# KiCad board jetson-nano-baseboard.kicad_pcb (continued)
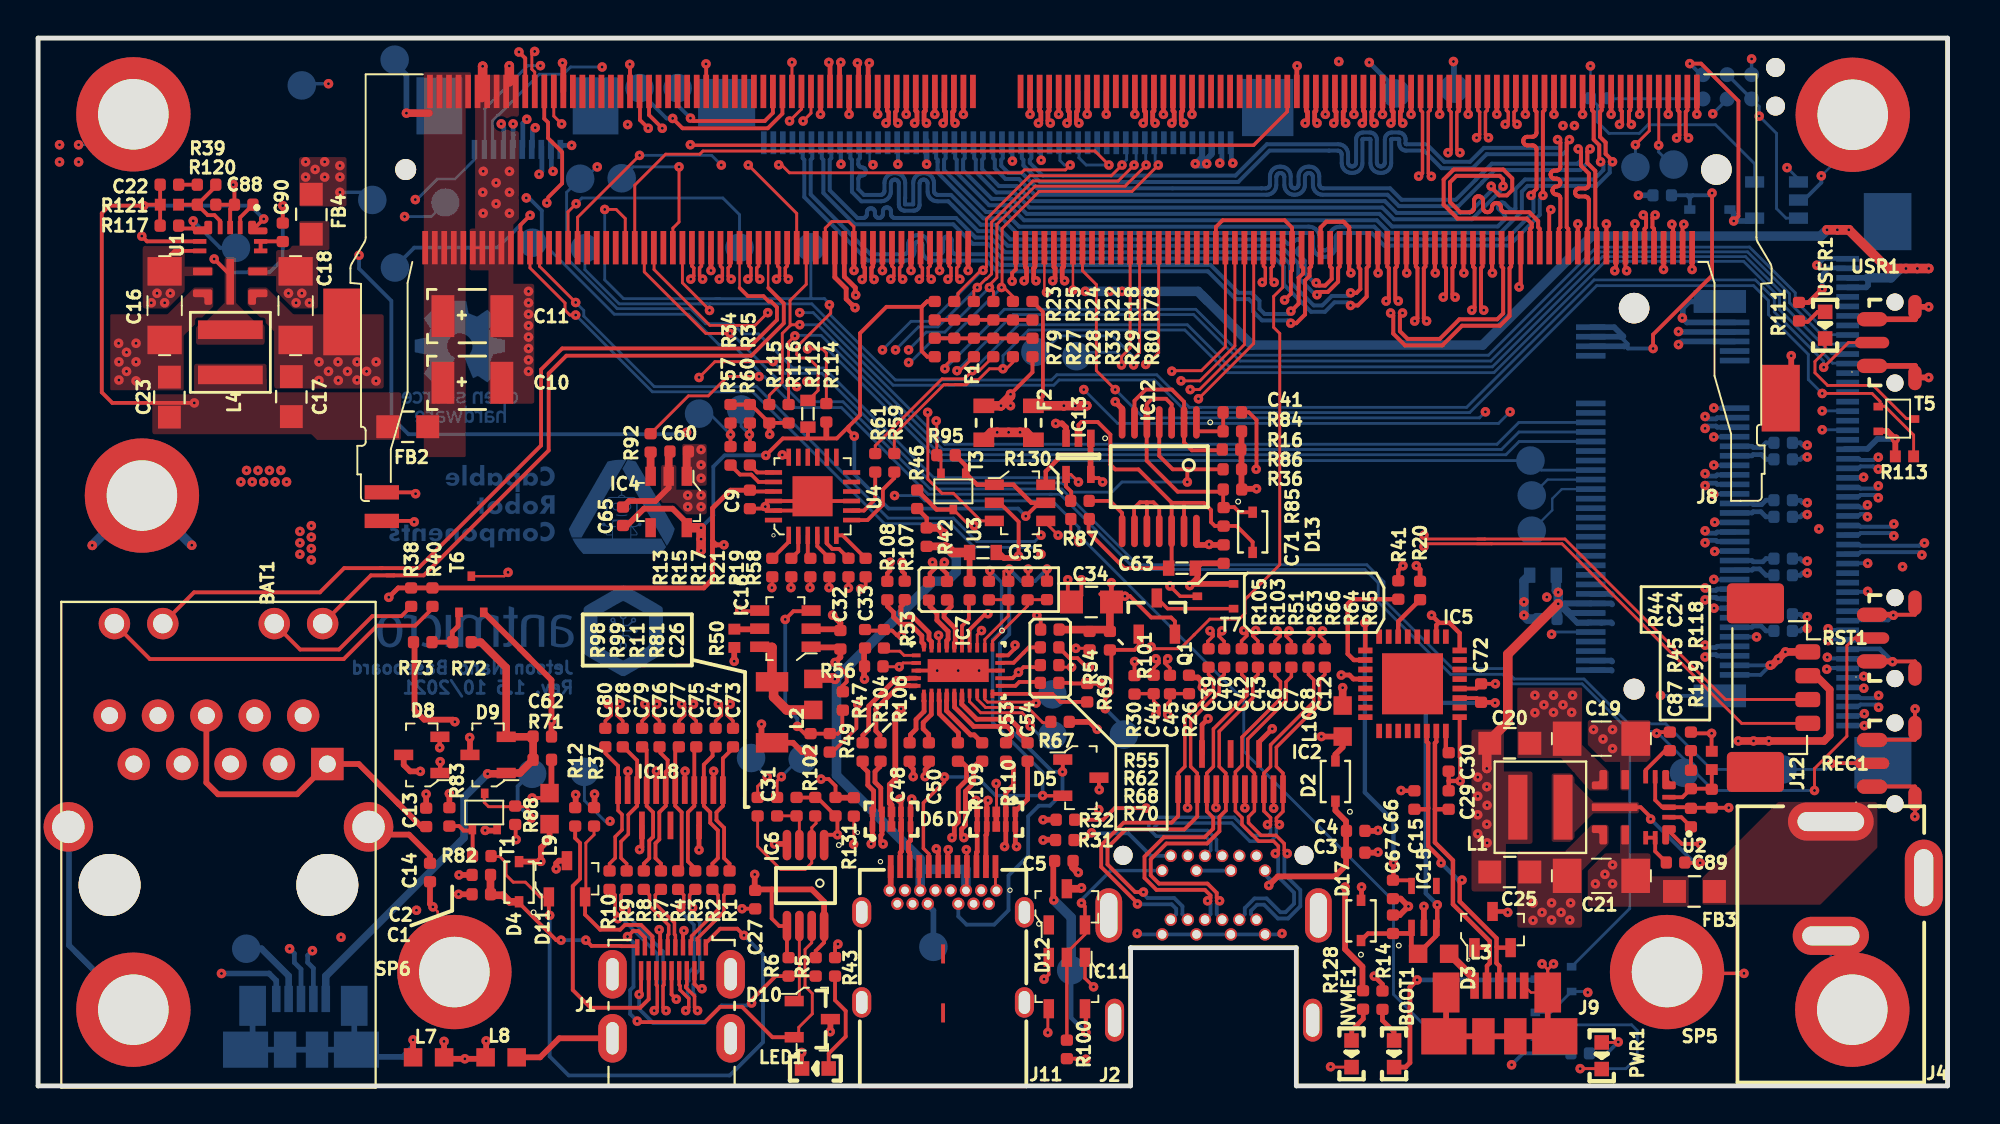
[diagram p0: board, top side]
## Routing (per net, layer and track width the routed paths; a pad name or vN(x,y) marks a point on that pad's centre or on a via; arc(x,y) is an arc through that point) (continued)
/Display/TMDS_D1_P: length 71.4
  Top w0.18: v1(34.4,20.04) 34.24,19.88 34.24,19.46 34.55,19.16 34.55,18.76
  Top w0.25: v1(69.51,50.54) 69.63,50.66 69.63,51.12 69.57,51.19 M1.71
  In3_SIGNAL.Cu w0.125: v1(69.51,50.54) 69.69,50.35 69.69,48.78 66.74,45.83 35.19,45.83 32.46,43.11 32.46,27.84 33.07,27.24 33.07,23.71 33.06,23.67 33.05,23.64 33.03,23.6 33,23.58 32.97,23.55 32.93,23.54 32.89,23.54 32.67,23.54 32.58,23.53 32.5,23.5 32.42,23.45 32.36,23.39 32.31,23.31 32.28,23.23 32.27,23.14 32.27,23.09 32.28,23 32.31,22.91 32.36,22.84 32.42,22.77 32.5,22.73 32.58,22.7 32.67,22.69 32.89,22.69 32.93,22.68 32.97,22.67 33,22.65 33.03,22.62 33.05,22.59 33.06,22.55 33.07,22.51 33.07,19.64 33.47,19.24 33.83,19.24 34.21,19.62 34.21,19.86 v1(34.4,20.04)
/Display/TMDS_D2_C_N: length 3.8
  Top w0.18: R2.2 35.69,10.02 35.69,9.26 34.3,7.86 34.3,7.63 34.25,7.59 J1.5
/Display/TMDS_D2_C_P: length 3.8
  Top w0.18: J1.3 34.65,7.59 34.6,7.63 34.6,7.74 36,9.13 36,10.02 R1.2
/Display/TMDS_D2_N: length 71.4
  Top w0.18: v1(35.71,20.04) 35.87,19.88 35.87,19.46 35.56,19.16 35.56,18.76
  Top w0.25: v1(71.63,50.54) 71.51,50.66 71.51,51.12 71.57,51.19 71.57,52.2
  In3_SIGNAL.Cu w0.125: v1(71.63,50.54) 71.44,50.35 71.44,48.43 67.98,44.96 35.69,44.96 33.59,42.86 33.59,28.32 35.24,26.67 35.24,22.66 35.25,22.63 35.26,22.61 35.27,22.58 35.29,22.57 35.32,22.55 35.34,22.54 35.37,22.54 35.64,22.54 35.67,22.53 35.7,22.53 35.72,22.51 35.74,22.49 35.75,22.47 35.76,22.44 35.77,22.41 35.76,22.38 35.75,22.36 35.74,22.33 35.72,22.32 35.7,22.3 35.67,22.29 35.64,22.29 35.37,22.29 35.34,22.28 35.32,22.28 35.29,22.26 35.27,22.24 35.26,22.22 35.25,22.19 35.24,22.16 35.24,19.75 35.5,19.49 35.66,19.49 35.89,19.73 35.89,19.86 v1(35.71,20.04)
/Display/TMDS_D2_P: length 71.4
  Top w0.18: 36.48,18.76 36.48,19.16 36.17,19.46 36.17,19.88 v1(36.33,20.04)
  Top w0.25: v1(71.01,50.54) 71.13,50.66 71.13,51.12 71.07,51.19 71.07,52.2
  In3_SIGNAL.Cu w0.125: v1(36.33,20.04) 36.14,19.86 36.14,19.62 35.76,19.24 35.4,19.24 34.99,19.64 34.99,26.57 33.34,28.22 33.34,42.96 35.59,45.21 67.87,45.21 71.19,48.53 71.19,50.35 v1(71.01,50.54)
/Display/TMDS_HPD_IN: length 33.7
  Top w0.15: D11.1 26.35,9.92 25.58,10.69 24.94,10.69 24.56,11.07 24.56,11.71 24.23,12.04 23.79,12.04 23.77,12.07
  Top w0.2: J1.1 35.05,7.5 35.8,8.25 36.7,8.25 v1(37.05,7.9) ; v1(26.85,8.95) 26.81,8.99 D11.1
  Bottom w0.2: v1(37.05,7.9) 38.05,6.9 38.05,2.3 36.3,0.55 27.85,0.55 26.85,1.55 v1(26.85,8.95)
/Display/TMDS_SCL: length 45.6
  Top w0.15: M1.100 62.32,38.8 61.06,37.54 59.53,37.54 v1(59.51,37.52) ; v1(38.28,16.23) 37.77,15.72 37.77,15.14
  In3_SIGNAL.Cu w0.15: v1(38.28,16.23) 40.37,18.33 40.37,22.59 43.69,25.91 43.69,27.66 49.04,33.01 56.48,33.01 59.05,35.59 59.05,37.06 v1(59.51,37.52)
  Bottom w0.15: v1(38.28,16.23) 37.42,17.08 TP33.1
/Display/TMDS_SCL_5V0: length 22.8
  Top w0.15: IC6.7 40.61,7.51 40.26,7.16 40.26,5.77 ; 40.81,5.77 40.26,5.77 40.26,5.77 ; 40.26,5.77 40.26,5.23 40.64,4.85 40.64,3.78 39.93,3.07 39.93,2.79 D10.2
  Top w0.2: J1.17 31.85,7.79 31.51,8.13 31.22,8.13 v1(30.94,7.84) ; D10.2 38.54,2.56 36.95,4.15 35.8,4.15 35,3.35 31.5,3.35 v1(31.45,3.4)
  Bottom w0.2: v1(30.94,7.84) 31.25,7.53 31.25,5.2 31.07,5.03 31.07,3.78 v1(31.45,3.4)
/Display/TMDS_SDA: length 45.3
  Top w0.15: M1.98 62.82,38.84 60.98,37.01 v1(59.99,37.01) ; v1(39.01,16.23) 38.79,16.01 38.79,15.14
  In3_SIGNAL.Cu w0.15: v1(39.01,16.23) 40.65,17.87 40.65,22.48 43.99,25.82 43.99,27.57 49.15,32.73 56.66,32.73 59.74,35.81 59.74,36.75 v1(59.99,37.01)
  Bottom w0.15: 40.14,17.21 39.99,17.21 v1(39.01,16.23)
/Display/TMDS_SDA_5V0: length 16.1
  Top w0.15: D10.1 39.96,4.46 39.96,5.77 ; 39.39,5.77 39.39,5.77 39.96,5.77 ; 39.96,5.77 39.96,8.39
  Top w0.2: v1(31.55,4.8) 31.65,4.9 J1.18 ; v1(37.45,4.35) 37.45,4.5 38.71,5.76 R6.2
  Bottom w0.2: v1(31.55,4.8) 31.55,4.03 32.28,3.3 34.95,3.3 35.88,4.23 37.23,4.23 37.35,4.35 v1(37.45,4.35)
/ID Serial/EEPROM_PWR: length 12.6
  Top w0.2: v1(89,45.4) 89.25,45.65 89.25,51.7 87.29,53.66 v1(86.7,53.66)
  Bottom w0.15: 87.4,53.09 87.39,53.09
  Bottom w0.2: TP30.1 87.27,53.08 v1(86.7,53.66)
  Bottom w0.3: D15.C 89,45.81 v1(89,45.4) 89.95,45.4 IC17.4
/ID Serial/SN_WP: length 61.4
  Top w0.2: v1(97.86,27.25) 97.88,27.27 ; 93.42,29.18 v1(93.47,29.24)
  In2_SINGAL.Cu w0.2: v1(93.47,29.24) 95.07,29.24 97.1,27.2 97.81,27.2 v1(97.86,27.25)
  In3_SIGNAL.Cu w0.125: v1(97.86,27.25) 99.11,27.25 99.72,27.87 99.72,44.08 96.44,47.36 93.28,47.36 91.79,48.85 91.79,52.18 91.38,52.59 82.43,52.59 v1(81.48,53.54)
  Bottom w0.125: v1(81.48,53.54) 81.49,53.53 81.49,51.84
  Bottom w0.15: R132.1 81.85,51.47 81.85,50.6 82.45,50 84.05,50 84.5,50.45 88.05,50.45 90.1,48.4 IC17.5
/Interfaces/C_PCIE0_TX0_N: length 2.2
  Bottom w0.25: J8.47 89.96,33.07 90.02,33.14 90.45,33.14 90.7,32.89 91.12,32.89
/Interfaces/C_PCIE0_TX0_P: length 2.2
  Bottom w0.25: J8.49 89.96,33.57 90.02,33.51 90.45,33.51 90.7,33.76 91.12,33.76
/Interfaces/C_PCIE0_TX1_N: length 2.2
  Bottom w0.25: 91.12,29.87 90.7,29.87 90.43,30.14 90.02,30.14 89.96,30.07 J8.35
/Interfaces/C_PCIE0_TX1_P: length 2.2
  Bottom w0.25: J8.37 89.96,30.57 90.02,30.51 90.47,30.51 90.7,30.74 91.12,30.74
/Interfaces/C_PCIE0_TX2_N: length 2.2
  Bottom w0.25: 91.12,26.8 90.7,26.8 90.36,27.14 90.02,27.14 89.96,27.07 J8.23
/Interfaces/C_PCIE0_TX2_P: length 2.2
  Bottom w0.25: 91.12,27.68 90.7,27.68 90.53,27.51 90.02,27.51 89.96,27.57 J8.25
/Interfaces/C_PCIE0_TX3_N: length 2.2
  Bottom w0.25: 91.12,23.88 90.7,23.88 90.44,24.14 90.02,24.14 89.96,24.08 J8.11
/Interfaces/C_PCIE0_TX3_P: length 2.2
  Bottom w0.25: 91.12,24.76 90.7,24.76 90.45,24.51 90.02,24.51 89.96,24.57 J8.13
/SoM/PMIC_BBAT: length 27.9
  Top w0.125: 26.76,46.63 26.76,46.41 v1(26.7,46.35)
  Top w0.2: 26.76,46.63 27.51,47.38 27.51,49.01 26.77,49.75 26.77,50.57 26.57,50.77 26.57,52.2 ; v1(19.81,31.09) 19.74,31.16 BAT1.+
  In3_SIGNAL.Cu w0.2: v1(19.81,31.09) 22.22,31.09 23.44,32.31 23.44,41.31 26.7,44.57 v1(26.7,46.35)
/Supply/\~{PWR_SET}: length 2.9
  Top w0.2: IC12.1 60.8,34.36 62.2,34.36 62.2,35.36
/Supply/FAN_PMW_5V: length 45.4
  Top w0.15: v1(72.74,28.31) 72.89,28.46 76.29,28.46 ; v1(53.54,28.91) 52.89,29.56 U3.4 ; 76.29,28.46 79.99,28.46 89.42,19.03 J12.4 ; 76.29,28.46 75.54,28.46
  In5_3V3_SYS_SIGNAL.Cu w0.15: v1(72.74,28.31) 72.64,28.31 71.94,29.01 53.64,29.01 v1(53.54,28.91)
/Supply/FAN_TACH_5V: length 51.7
  Top w0.15: 75.94,28.71 72.94,28.71 v1(72.74,28.91) ; 75.94,28.71 80.14,28.71 88.57,20.28 J12.3 ; 75.94,28.71 75.54,28.71 ; v1(49.14,29.41) 48.89,29.41 T3.3
  Top w0.23: T3.3 47.16,30.26 R46.1
  In5_3V3_SYS_SIGNAL.Cu w0.15: v1(72.74,28.91) 72.32,29.33 49.22,29.33 v1(49.14,29.41)
/Supply/Q: length 12.9
  Top w0.2: IC12.3 59.5,35.77 59.2,36.07 58.47,36.07 58.19,35.79 58.19,34.84 IC12.5 58.19,34.82 58.19,32.82 59.81,31.19 62.03,31.19 62.2,31.37 62.2,30.37 62.23,30.35 62.26,30.38 62.79,30.38 63.05,30.11 D13.C
/Supply/QDEL: length 24.9
  Top w0.2: 60.14,30.61 61.19,30.61 61.57,30.23 61.57,29.59 61.77,29.39 62.91,29.39 63.75,28.55 D13.A ; 60.14,30.61 60.15,30.6 IC12.13 ; 60.14,30.61 59.5,30.61 ; 55.16,29.69 55.14,29.67 55.14,29.06 57.02,27.18 59.23,27.18 59.5,27.45 IC12.12 59.5,30.62 57.76,32.36 56.54,32.36 56.28,32.61 56.28,34.19 55.62,34.85 54.76,34.85 54.61,34.7 IC13.2
/USB/C_CC1: length 29
  Top w0.18: v1(52.73,15.24) 52.74,15.23 D5.2 ; v1(47.57,16.22) 47.57,15.96 46.47,14.86 46.47,12.46 46.75,12.18 J11.A5 ; v1(51.97,27.13) 51.97,26.51 51.94,26.48 ; v1(49.96,27.05) 49.96,26.53 49.91,26.48
  In2_SINGAL.Cu w0.18: v1(51.97,27.13) 51.34,26.5 50.51,26.5 v1(49.96,27.05)
  Bottom w0.18: v1(47.57,16.22) 49.28,16.22 50.26,15.24 v1(52.73,15.24) 52.73,16.46 50.1,19.09 50.1,23.42 50.57,23.89 50.57,26.44 v1(49.96,27.05)
/USB/C_CC2: length 30.1
  Top w0.15: 50.7,27.02 50.69,27.01 50.69,26.48
  Top w0.2: v1(53.77,16.48) 53.78,16.5 D5.1 ; v1(50.98,27.13) 50.98,26.53 50.92,26.48 ; 52.96,26.49 v1(52.96,27.13)
  Bottom w0.2: v1(52.96,27.13) 52.33,26.5 51.6,26.5 v1(50.98,27.13) 50.98,23.71 50.49,23.23 50.49,19.25 53.25,16.48 v1(53.77,16.48) 53.77,15.37 53.11,14.71 52.53,14.71 51.97,14.15 51.97,12.07 50.94,11.04 50.94,9.22 50.18,8.47 48.73,8.47 48.3,8.89 J11.B5
/USB/C_USBSS_RX1_N: length 11.9
  Top w0.25: v1(43.73,12.7) 43.86,12.83 43.86,13.14 43.79,13.21 D6.1 D6.1 43.86,14.45 43.86,15.48 43.55,15.79 43.55,16.49 43.29,16.75 43.29,17.15
  In2_SINGAL.Cu w0.18: 44.04,9.24 44.04,9.68 43.4,10.32 43.4,10.74 43.41,10.75
  In2_SINGAL.Cu w0.22: J11.B10 45.68,9.33 45.68,8.78 45.36,8.46 44.54,8.46 44.04,8.96 44.04,9.24 ; 43.41,10.75 43.41,11.39 43.87,11.85 43.87,12.56 v1(43.73,12.7)
/USB/C_USBSS_RX1_P: length 10.7
  Top w0.25: 44.19,17.16 44.19,16.76 43.93,16.5 43.93,15.94 44.23,15.64 44.23,14.45 D6.2 D6.2 44.29,13.21 44.23,13.14 44.23,12.83 v1(44.36,12.7)
  In2_SINGAL.Cu w0.18: 44.39,9.24 44.39,9.77 43.76,10.4 43.76,10.74 43.75,10.75
  In2_SINGAL.Cu w0.22: J11.B11 45.33,9.33 45.33,8.92 45.22,8.81 44.68,8.81 44.39,9.1 44.39,9.24 ; v1(44.36,12.7) 44.22,12.56 44.22,11.71 43.75,11.25 43.75,10.75
/USB/C_USBSS_RX2_N: length 11.2
  Top w0.25: v1(47.97,13.03) 48.09,13.16 48.09,13.64 48.3,13.85 48.3,15.62 48.73,16.06 48.73,16.75 48.31,17.18 ; v1(49.23,14.99) 49.29,14.92 D7.5 D7.5 49.29,12.29 49.25,12.25 J11.A10
  In2_SINGAL.Cu w0.22: v1(47.97,13.03) 48.11,13.17 48.11,13.6 48.54,14.04 49.26,14.04 49.37,14.15 49.37,14.85 v1(49.23,14.99)
/USB/C_USBSS_RX2_P: length 11.2
  Top w0.25: 49.54,17.18 49.11,16.75 49.11,15.9 48.68,15.46 48.68,13.69 48.47,13.48 48.47,13.16 v1(48.59,13.03) ; v1(49.86,14.99) 49.79,14.92 D7.4 D7.4 49.79,13.21 49.75,13.16 J11.A11
  In2_SINGAL.Cu w0.22: v1(48.59,13.03) 48.45,13.17 48.45,13.46 48.69,13.69 49.41,13.69 49.72,14 49.72,14.85 v1(49.86,14.99)
/USB/C_USBSS_RX6_N: length 3.6
  Top w0.25: IC7.10 46.49,23.18 46.39,23.29 46.39,23.63 45.79,24.23 45.28,24.23 44.91,24.61 44.91,24.85 44.59,25.17 44.59,25.58
/USB/C_USBSS_RX6_P: length 3.7
  Top w0.25: 45.7,25.58 45.28,25.16 45.28,24.76 45.44,24.61 45.94,24.61 46.76,23.79 46.76,23.44 46.89,23.31 IC7.9
/USB/C_USBSS_TX1_N: length 10.4
  Top w0.25: v1(45.86,15.06) 45.79,14.99 D6.5 D6.5 45.79,12.89 45.69,12.78 45.69,12.31 45.75,12.25 J11.A3 ; 45.79,17.18 45.79,16.78 45.93,16.63 v1(45.93,16.23)
  In2_SINGAL.Cu w0.22: v1(45.86,15.06) 45.72,14.92 45.72,14.46 46.51,13.67 46.94,13.67 47.31,14.04 47.31,14.86 46.78,15.39 46.33,15.39 46.07,15.64 46.07,16.12 45.96,16.23 v1(45.93,16.23)
/USB/C_USBSS_TX1_P: length 11.5
  Top w0.25: v1(45.23,15.06) 45.29,14.99 D6.4 45.29,13.98 45.31,13.96 45.31,12.31 45.25,12.25 J11.A2 ; v1(46.56,16.23) 46.56,16.61 46.75,16.8 46.75,17.2
  In2_SINGAL.Cu w0.22: v1(45.23,15.06) 45.37,14.92 45.37,14.32 46.36,13.33 47.08,13.33 47.65,13.89 47.65,15 46.92,15.73 46.48,15.73 46.42,15.79 46.42,16.12 46.54,16.23 v1(46.56,16.23)
/USB/C_USBSS_TX2_N: length 14.1
  Top w0.25: v1(50.73,12.57) 50.79,12.63 D7.2 D7.2 50.79,15.39 51.19,15.78 51.19,16.75 50.77,17.18
  In2_SINGAL.Cu w0.18: 50.51,8.79 51.02,9.31 51.02,9.79 51.15,9.91 51.15,10.05 51.42,10.32
  In2_SINGAL.Cu w0.22: J11.B3 49.33,9.33 49.33,8.96 49.74,8.55 50.27,8.55 50.51,8.79 ; v1(50.73,12.57) 50.87,12.71 50.87,13.04 51.24,13.41 51.7,13.41 52.17,12.94 52.17,11.08 51.42,10.32
/USB/C_USBSS_TX2_P: length 11.5
  Top w0.25: 51.39,14.5 51.94,15.04 51.94,17.05 ; v1(51.36,12.57) 51.29,12.63 D7.1 D7.1
  In2_SINGAL.Cu w0.18: 50.31,9.08 50.69,9.46 50.69,9.89 50.84,10.04 50.84,10.24 51.26,10.66
  In2_SINGAL.Cu w0.22: J11.B2 49.68,9.33 49.68,9.1 49.88,8.9 50.12,8.9 50.31,9.08 ; v1(51.36,12.57) 51.22,12.71 51.22,12.9 51.39,13.07 51.56,13.07 51.83,12.8 51.83,11.22 51.26,10.66
/USB/C_USBSS_TX6_N: length 3
  Top w0.25: 46.81,25.58 46.81,25.17 47.18,24.8 47.18,24.44 47.76,23.86 47.76,23.44 47.69,23.37 IC7.7
/USB/C_USBSS_TX6_P: length 3
  Top w0.25: IC7.6 48.09,23.24 48.14,23.29 48.14,24.01 47.55,24.6 47.55,24.8 47.92,25.17 47.92,25.58
/USB/CC1: length 4
  Top w0.15: IC7.2 49.69,23.43 50.92,24.66 50.92,25.52 49.91,25.52
/USB/CC2: length 4.3
  Top w0.15: IC7.1 50.09,23.35 51.94,25.2 51.94,25.52 52.95,25.52 52.96,25.53
/USB/DBG_USB_D_N: length 16.2
  Top w0.23: 76.2,7.25 76.2,6.45 76.05,6.3 J9.2 ; 76.2,7.25 76.19,7.26 D3.1 ; 76.2,7.25 76.2,7.6 74.26,9.53 74.26,11.83 73.32,12.78 73.32,14.53 ; 73.32,14.53 73.32,18 73.39,18.07 73.39,18.63 ; 73.32,14.53 73.33,14.52 C29.2
/USB/DBG_USB_D_P: length 16.7
  Top w0.23: D3.2 76.59,7.26 76.55,7.3 ; v1(73.64,11.71) 73.64,11.91 72.96,12.58 72.96,14.58 ; 72.96,14.58 72.96,18 72.89,18.07 72.89,18.63 ; 72.96,14.58 72.9,14.52 C15.2 ; J9.3 76.7,6.3 76.55,6.45 76.55,7.3 ; 76.55,7.3 76.55,7.75 74.62,9.68 74.62,10.68 v1(74.74,10.81) ; 72.29,14.58 72.24,14.54
  Bottom w0.23: v1(74.74,10.81) 74.54,10.81 v1(73.64,11.71)
/USB/EN_MUX: length 12
  Top w0.15: 54.19,22 54.17,21.98 53.57,21.98 ; IC7.12 45.4,22.2 v1(45.2,22) 44.47,22
  In2_SINGAL.Cu w0.15: v1(45.2,22) 45.91,22.71 50.34,22.71 50.64,22.41 53.82,22.41 v1(54.25,21.98)
/USB/USBC_ADDR: length 5.7
  Top w0.15: v1(52.07,18.89) 52.04,18.92 52.04,19.2 51.65,19.59 49.48,19.59 48.89,20.17 IC7.22
  Bottom w0.15: v1(52.07,18.89) 52.56,18.4 TP21.1
/USB/USBC_FAULT: length 4.1
  Top w0.15: v1(52.38,20.1) 52.34,20.15 49.84,20.15 49.69,20.29 IC7.24
  Bottom w0.15: v1(52.38,20.1) 52.84,20.55 TP32.1
/USB/USBC_ID: length 15.2
  Top w0.125: 51.03,21.4 IC7.27
  Top w0.2: 50.79,21.4 51.14,21.4 v1(51.46,21.71) 51.72,21.98 52.61,21.98 ; v1(56.02,19.8) 56.02,20.32 56.34,20.64 56.34,22.81 56.26,22.89 57.56,22.89 57.78,23.11 57.77,23.12 Q1.1
  In2_SINGAL.Cu w0.2: v1(51.46,21.71) 51.46,21.72 52.42,21.72 54.34,19.8 v1(56.02,19.8)
  Bottom w0.2: v1(56.02,19.8) 56.99,18.82 TP18.1
/USB/USBC_INTN: length 4.7
  Top w0.15: 53.16,19.08 53.14,19.07 52.74,19.07 51.94,19.87 49.73,19.87 49.29,20.3 IC7.23
/USB/USBC_SCL: length 2.2
  Top w0.2: IC7.26 51.3,21 51.5,21.2 52.53,21.2 52.6,21.13
/USB/USBC_SDA: length 5.2
  Top w0.2: IC7.25 53.24,20.58 53.66,20.16 55.12,20.16
/USB/USBSS_RX1_N: length 5.2
  Top w0.25: 43.29,18 43.29,18.41 43.6,18.71 43.6,19.94 45.05,21.39 45.7,21.39 45.71,21.4 IC7.14
/USB/USBSS_RX1_P: length 4.5
  Top w0.25: IC7.15 45.74,21 45.73,21.01 45.2,21.01 43.98,19.78 43.98,18.63 44.19,18.42 44.19,18.01
/USB/USBSS_RX2_N: length 3
  Top w0.25: IC7.18 47.29,20.22 47.31,20.2 47.31,19.53 48.31,18.53 48.31,18.03
/USB/USBSS_RX2_P: length 3.5
  Top w0.25: IC7.19 47.69,20.22 47.68,20.2 47.68,19.69 48.95,18.43 49.14,18.43 49.54,18.03
/USB/USBSS_TX1_N: length 2.8
  Top w0.25: 45.79,18.03 45.79,18.44 46.08,18.73 46.08,19.23 46.51,19.65 46.51,20.2 46.49,20.22 IC7.16
/USB/USBSS_TX1_P: length 2.9
  Top w0.25: 46.75,18.05 46.75,18.46 46.46,18.75 46.46,19.07 46.88,19.5 46.88,20.2 46.89,20.22 IC7.17
/USB/USBSS_TX2_N: length 5
  Top w0.25: 50.77,18.03 51.09,18.35 51.09,18.65 50.87,18.87 49.11,18.87 48.11,19.88 48.11,20.2 48.09,20.22 IC7.20
/USB/USBSS_TX2_P: length 5.1
  Top w0.25: 51.99,18.03 51.47,18.55 51.47,18.8 51.02,19.25 49.27,19.25 48.48,20.03 48.48,20.2 48.49,20.22 IC7.21
\PEWAKE_3V3: length 56.8
  Top w0.15: v1(40.15,50.65) 40.57,51.06 40.57,52.2
  In2_SINGAL.Cu w0.15: v1(40.15,50.65) 39.91,50.4 39.91,40.66 v1(39.98,40.59)
  Bottom w0.15: J8.54 77.72,34.82 76.58,33.68 47.59,33.68 40.68,40.59 v1(39.98,40.59)
DP_PWR: length 18
  Top w0.3: 60.43,21.55 60.55,21.44 60.88,21.44 61.05,21.26 61.05,20.93 v1(61.11,20.93) ; v1(67.36,18.34) 67.36,18.34 L10.2 68.48,17.78 68.09,17.4 D2.A
  In2_SINGAL.Cu w0.3: v1(61.11,20.93) 60.6,21.44 60.6,22.17 60.89,22.46 68.22,22.46 69.06,21.62 69.06,20.04 v1(67.36,18.34)
EGND: length 19.1
  Top w0.3: 17.38,13.19 19.47,13.19 20.57,12.09 C14.1
  Top w0.4: 17.38,13.19 17.39,13.19
  Bottom w0.3: 2,7 SP4.1 1.62,7.38 1.62,13.19 ; 2,13.07 2.12,13.19
ENET_LED0: length 46.4
  Top w0.125: M1.194 36.82,41.89 36.83,41.88
  Top w0.2: 18.06,27.18 16.06,27.18 14.79,25.91 8.19,25.91 J3.13 ; 18.06,27.18 17.96,27.18 ; 18.06,27.18 19.96,27.18 26.4,33.62 26.4,37.6 27.51,38.71 37.28,38.71 38.78,40.21 38.78,40.87 38.48,41.17 38.35,41.17 38.07,41.45 37.26,41.45 36.83,41.88
ENET_LED1: length 37.8
  Top w0.125: 38.32,41.89 38.32,44
  Top w0.2: J3.11 17.47,26.8 18.68,26.8 ; 18.68,26.8 18.29,26.8 ; 18.68,26.8 20.24,26.8 26.8,33.36 26.8,37.4 27.73,38.33 37.44,38.33 39.14,40.03 39.14,41.07 38.33,41.88
ENET_TRD0_N: length 55.9
  Top w0.18: v1(39.38,42.35) 39.22,42.51 39.22,42.94 39.32,43.03 39.32,44
  In5_3V3_SYS_SIGNAL.Cu w0.125: 12.67,16.49 12.62,16.55 ; v1(39.38,42.35) 39.21,42.18 39.21,39.54 37.43,37.76 31.75,37.76 30.14,36.16 30.14,28.12 30.15,28.09 30.16,28.06 30.18,28.03 30.2,28 30.23,27.98 30.27,27.97 30.3,27.97 30.81,27.97 30.9,27.96 30.99,27.93 31.07,27.88 31.14,27.81 31.19,27.73 31.22,27.64 31.23,27.55 31.23,27.5 31.22,27.41 31.19,27.32 31.14,27.24 31.07,27.17 30.99,27.12 30.9,27.09 30.81,27.08 29.52,27.08 29.49,27.08 29.45,27.07 29.42,27.05 29.4,27.02 29.38,26.99 29.37,26.96 29.36,26.92 29.37,26.89 29.38,26.86 29.4,26.83 29.42,26.8 29.45,26.78 29.49,26.77 29.52,26.77 30.81,26.77 30.9,26.76 30.99,26.73 31.07,26.68 31.14,26.61 31.19,26.53 31.22,26.44 31.23,26.35 31.23,26.3 31.22,26.21 31.19,26.12 31.14,26.04 31.07,25.97 30.99,25.92 30.9,25.89 30.81,25.88 29.52,25.88 29.49,25.88 29.45,25.87 29.42,25.85 29.4,25.82 29.38,25.79 29.37,25.76 29.36,25.72 29.37,25.69 29.38,25.66 29.4,25.63 29.42,25.6 29.45,25.58 29.49,25.57 29.52,25.57 30.81,25.57 30.9,25.56 30.99,25.53 31.07,25.48 31.14,25.41 31.19,25.33 31.22,25.24 31.23,25.15 31.23,25.1 31.22,25.01 31.19,24.92 31.14,24.84 31.07,24.77 30.99,24.72 30.9,24.69 30.81,24.68 30.3,24.68 30.27,24.68 30.23,24.67 30.2,24.65 30.18,24.62 30.16,24.59 30.15,24.56 30.14,24.52 30.14,24 25.7,19.56 22.12,19.56 22.1,19.58 21.65,19.58 21.64,19.56 17.62,19.56 16.74,18.68 14.69,18.68 14.41,18.4 14.14,18.4 J3.3
ENET_TRD0_P: length 55.9
  Top w0.18: v1(38.76,42.35) 38.92,42.51 38.92,42.94 38.82,43.03 M1.186
  In5_3V3_SYS_SIGNAL.Cu w0.125: v1(38.76,42.35) 38.93,42.18 38.93,39.66 37.31,38.04 31.63,38.04 29.86,36.27 29.86,28.1 29.87,28.01 29.9,27.92 29.95,27.84 30.02,27.77 30.1,27.72 30.18,27.69 30.28,27.68 30.78,27.68 30.82,27.68 30.85,27.67 30.88,27.65 30.91,27.62 30.93,27.59 30.94,27.56 30.94,27.52 30.94,27.49 30.93,27.46 30.91,27.43 30.88,27.4 30.85,27.38 30.82,27.37 30.78,27.37 29.49,27.37 29.4,27.36 29.31,27.33 29.23,27.28 29.17,27.21 29.12,27.13 29.09,27.04 29.08,26.95 29.08,26.9 29.09,26.81 29.12,26.72 29.17,26.64 29.23,26.57 29.31,26.52 29.4,26.49 29.49,26.48 30.78,26.48 30.82,26.48 30.85,26.47 30.88,26.45 30.91,26.42 30.93,26.39 30.94,26.36 30.94,26.32 30.94,26.29 30.93,26.26 30.91,26.23 30.88,26.2 30.85,26.18 30.82,26.17 30.78,26.17 29.49,26.17 29.4,26.16 29.31,26.13 29.23,26.08 29.17,26.01 29.12,25.93 29.09,25.84 29.08,25.75 29.08,25.7 29.09,25.61 29.12,25.52 29.17,25.44 29.23,25.37 29.31,25.32 29.4,25.29 29.49,25.28 30.78,25.28 30.82,25.28 30.85,25.27 30.88,25.25 30.91,25.22 30.93,25.19 30.94,25.16 30.94,25.12 30.94,25.09 30.93,25.06 30.91,25.03 30.88,25 30.85,24.98 30.82,24.97 30.78,24.97 30.28,24.97 30.18,24.96 30.1,24.93 30.02,24.88 29.95,24.81 29.9,24.73 29.87,24.64 29.86,24.55 29.86,24.12 28.12,22.38 28.09,22.36 28.06,22.34 28.03,22.34 27.99,22.34 27.96,22.34 27.93,22.36 27.9,22.38 27.88,22.4 27.85,22.43 27.82,22.44 27.79,22.45 27.75,22.45 27.72,22.44 27.69,22.43 27.66,22.4 27.64,22.38 27.63,22.35 27.62,22.32 27.62,22.28 27.63,22.25 27.64,22.22 27.66,22.19 27.69,22.17 27.71,22.14 27.73,22.11 27.73,22.08 27.73,22.04 27.73,22.01 27.71,21.98 27.69,21.95 27.66,21.93 27.63,21.92 27.6,21.91 27.57,21.91 27.54,21.92 27.51,21.93 27.48,21.95 27.45,21.98 27.43,22 27.4,22.02 27.36,22.02 27.33,22.02 27.3,22.02 27.27,22 27.24,21.98 27.22,21.95 27.2,21.92 27.2,21.89 27.2,21.86 27.2,21.82 27.22,21.79 27.24,21.77 27.27,21.74 27.29,21.72 27.3,21.69 27.31,21.65 27.31,21.62 27.3,21.59 27.29,21.56 27.27,21.53 27.24,21.51 27.21,21.49 27.18,21.49 27.14,21.49 27.11,21.49 27.08,21.51 27.05,21.53 27.03,21.56 27,21.58 26.97,21.59 26.94,21.6 26.91,21.6 26.87,21.59 26.84,21.58 26.82,21.56 26.79,21.53 26.78,21.5 26.77,21.47 26.77,21.43 26.78,21.4 26.79,21.37 26.82,21.34 26.84,21.32 26.86,21.29 26.88,21.26 26.89,21.23 26.89,21.19 26.88,21.16 26.86,21.13 26.84,21.11 25.58,19.85 19.68,19.85 19.65,19.85 19.62,19.86 19.59,19.88 19.56,19.9 19.55,19.93 19.53,19.96 19.53,20.03 19.52,20.06 19.5,20.09 19.47,20.11 19.45,20.13 19.41,20.14 19.38,20.15 19.35,20.14 19.32,20.13 19.29,20.11 19.26,20.09 19.25,20.06 19.23,20.03 19.23,19.96 19.22,19.93 19.2,19.9 19.17,19.88 19.15,19.86 19.11,19.85 19.08,19.85 19.05,19.85 19.02,19.86 18.99,19.88 18.96,19.9 18.95,19.93 18.93,19.96 18.93,20.03 18.92,20.06 18.9,20.09 18.87,20.11 18.85,20.13 18.81,20.14 18.78,20.15 18.75,20.14 18.72,20.13 18.69,20.11 18.66,20.09 18.65,20.06 18.63,20.03 18.63,19.96 18.62,19.93 18.6,19.9 18.57,19.88 18.55,19.86 18.51,19.85 18.48,19.85 18.45,19.85 18.42,19.86 18.39,19.88 18.36,19.9 18.35,19.93 18.33,19.96 18.33,20.03 18.32,20.06 18.3,20.09 18.27,20.11 18.25,20.13 18.21,20.14 18.18,20.15 18.15,20.14 18.12,20.13 18.09,20.11 18.06,20.09 18.05,20.06 18.03,20.03 18.03,19.96 18.02,19.93 18,19.9 17.97,19.88 17.95,19.86 17.91,19.85 17.88,19.85 17.55,19.85 16.63,18.93 14.42,18.93 J3.2
ENET_TRD1_N: length 55.5
  Top w0.18: M1.190 37.82,43.03 37.72,42.94 37.72,42.51 v1(37.88,42.35)
  In5_3V3_SYS_SIGNAL.Cu w0.125: v1(37.88,42.35) 37.71,42.18 37.71,39.58 36.89,38.76 31.33,38.76 28.74,36.18 28.74,34.98 28.73,34.89 28.7,34.8 28.65,34.72 28.59,34.65 28.51,34.6 28.42,34.57 28.33,34.56 28.11,34.56 28.07,34.56 28.04,34.55 28.01,34.53 27.98,34.5 27.97,34.47 27.95,34.44 27.95,34.4 27.95,34.37 27.97,34.34 27.98,34.31 28.01,34.28 28.04,34.26 28.07,34.25 28.11,34.25 29.12,34.25 29.21,34.24 29.3,34.21 29.38,34.16 29.44,34.09 29.49,34.01 29.52,33.92 29.54,33.83 29.54,33.78 29.52,33.69 29.49,33.6 29.44,33.52 29.38,33.45 29.3,33.4 29.21,33.37 29.12,33.36 28.11,33.36 28.07,33.36 28.04,33.35 28.01,33.33 27.98,33.3 27.97,33.27 27.95,33.24 27.95,33.2 27.95,33.17 27.97,33.14 27.98,33.11 28.01,33.08 28.04,33.06 28.07,33.05 28.11,33.05 29.12,33.05 29.21,33.04 29.3,33.01 29.38,32.96 29.44,32.89 29.49,32.81 29.52,32.72 29.54,32.63 29.54,32.58 29.52,32.49 29.49,32.4 29.44,32.32 29.38,32.25 29.3,32.2 29.21,32.17 29.12,32.16 28.11,32.16 28.07,32.16 28.04,32.15 28.01,32.13 27.98,32.1 27.97,32.07 27.95,32.04 27.95,32 27.95,31.97 27.97,31.94 27.98,31.91 28.01,31.88 28.04,31.86 28.07,31.85 28.11,31.85 28.33,31.85 28.42,31.84 28.51,31.81 28.59,31.76 28.65,31.69 28.7,31.61 28.73,31.52 28.74,31.43 28.74,24.21 25.01,20.47 13.09,20.47 12.67,20.05 12.67,19.46 12.41,19.2 12.41,18.94 10.37,16.9 J3.5
ENET_TRD1_P: length 55.5
  Top w0.18: v1(37.26,42.35) 37.42,42.51 37.42,42.94 37.32,43.03 37.32,44
  In5_3V3_SYS_SIGNAL.Cu w0.125: v1(37.26,42.35) 37.43,42.18 37.43,39.7 36.77,39.04 31.21,39.04 28.46,36.29 28.46,35 28.45,34.97 28.44,34.94 28.42,34.91 28.4,34.88 28.37,34.86 28.34,34.85 28.3,34.85 28.08,34.85 27.99,34.84 27.9,34.81 27.82,34.76 27.76,34.69 27.71,34.61 27.68,34.52 27.67,34.43 27.67,34.38 27.68,34.29 27.71,34.2 27.76,34.12 27.82,34.05 27.9,34 27.99,33.97 28.08,33.96 29.09,33.96 29.13,33.96 29.16,33.95 29.19,33.93 29.22,33.9 29.23,33.87 29.25,33.84 29.25,33.8 29.25,33.77 29.23,33.74 29.22,33.71 29.19,33.68 29.16,33.66 29.13,33.65 29.09,33.65 28.08,33.65 27.99,33.64 27.9,33.61 27.82,33.56 27.76,33.49 27.71,33.41 27.68,33.32 27.67,33.23 27.67,33.18 27.68,33.09 27.71,33 27.76,32.92 27.82,32.85 27.9,32.8 27.99,32.77 28.08,32.76 29.09,32.76 29.13,32.76 29.16,32.75 29.19,32.73 29.22,32.7 29.23,32.67 29.25,32.64 29.25,32.6 29.25,32.57 29.23,32.54 29.22,32.51 29.19,32.48 29.16,32.46 29.13,32.45 29.09,32.45 28.08,32.45 27.99,32.44 27.9,32.41 27.82,32.36 27.76,32.29 27.71,32.21 27.68,32.12 27.67,32.03 27.67,31.98 27.68,31.89 27.71,31.8 27.76,31.72 27.82,31.65 27.9,31.6 27.99,31.57 28.08,31.56 28.3,31.56 28.34,31.56 28.37,31.55 28.4,31.53 28.42,31.5 28.44,31.47 28.45,31.44 28.46,31.4 28.46,24.36 28.46,24.36 28.46,24.32 28.02,23.89 27.99,23.86 27.95,23.85 27.91,23.84 27.88,23.84 27.84,23.85 27.8,23.86 27.77,23.89 27.75,23.91 27.72,23.93 27.69,23.95 27.65,23.96 27.61,23.96 27.57,23.95 27.54,23.93 27.5,23.91 27.48,23.88 27.46,23.84 27.45,23.8 27.45,23.76 27.46,23.73 27.48,23.69 27.5,23.66 27.52,23.64 27.55,23.61 27.57,23.57 27.57,23.54 27.57,23.5 27.57,23.46 27.55,23.42 27.52,23.39 27.49,23.37 27.46,23.35 27.42,23.34 27.38,23.34 27.34,23.35 27.31,23.37 27.28,23.39 27.26,23.41 27.23,23.44 27.19,23.45 27.15,23.46 27.11,23.46 27.08,23.45 27.04,23.44 27.01,23.41 26.99,23.38 26.97,23.35 26.96,23.31 26.96,23.27 26.97,23.23 26.99,23.2 27.01,23.17 27.03,23.15 27.05,23.12 27.07,23.08 27.08,23.04 27.08,23 27.07,22.96 27.05,22.93 27.03,22.9 27,22.87 26.96,22.86 26.92,22.85 26.89,22.85 26.85,22.86 26.81,22.87 26.78,22.9 26.76,22.92 26.73,22.94 26.7,22.96 26.66,22.97 26.62,22.97 26.58,22.96 26.55,22.94 26.51,22.92 26.49,22.89 26.47,22.85 26.46,22.81 26.46,22.77 26.47,22.74 26.49,22.7 26.51,22.67 26.53,22.65 26.56,22.62 26.58,22.58 26.58,22.55 26.58,22.51 26.58,22.47 26.56,22.43 26.53,22.4 26.5,22.38 26.47,22.36 26.43,22.35 26.39,22.35 26.35,22.36 26.32,22.38 26.29,22.4 26.27,22.42 26.24,22.45 26.2,22.46 26.16,22.47 26.12,22.47 26.09,22.46 26.05,22.45 26.02,22.42 26,22.39 25.98,22.36 25.97,22.32 25.97,22.28 25.98,22.24 26,22.21 26.02,22.18 26.04,22.16 26.06,22.13 26.08,22.09 26.09,22.05 26.09,22.01 26.08,21.97 26.06,21.94 26.04,21.91 24.85,20.72 15.02,20.72 14.99,20.73 14.96,20.74 14.93,20.76 14.91,20.78 14.89,20.81 14.88,20.84 14.87,20.91 14.86,20.94 14.84,20.97 14.82,20.99 14.79,21.01 14.76,21.02 14.72,21.02 14.69,21.02 14.66,21.01 14.63,20.99 14.61,20.97 14.59,20.94 14.58,20.91 14.57,20.84 14.56,20.81 14.54,20.78 14.52,20.76 14.49,20.74 14.46,20.73 14.42,20.72 14.39,20.73 14.36,20.74 14.33,20.76 14.31,20.78 14.29,20.81 14.28,20.84 14.27,20.91 14.26,20.94 14.24,20.97 14.22,20.99 14.19,21.01 14.16,21.02 14.12,21.02 14.09,21.02 14.06,21.01 14.03,20.99 14.01,20.97 13.99,20.94 13.98,20.91 13.97,20.84 13.96,20.81 13.94,20.78 13.92,20.76 13.89,20.74 13.86,20.73 13.82,20.72 13.79,20.73 13.76,20.74 13.73,20.76 13.71,20.78 13.69,20.81 13.68,20.84 13.67,20.91 13.66,20.94 13.64,20.97 13.62,20.99 13.59,21.01 13.56,21.02 13.52,21.02 13.49,21.02 13.46,21.01 13.43,20.99 13.41,20.97 13.39,20.94 13.38,20.91 13.37,20.84 13.36,20.81 13.34,20.78 13.32,20.76 13.29,20.74 13.26,20.73 13.22,20.72 12.98,20.72 12.42,20.16 12.42,19.56 12.29,19.44 J3.4